# Altium PCB Zotino.PCBDOC (part 8 of 8)
Units mil, origin at the board's own origin, x right, y up, seen from the top; angles counter-clockwise.
Board outline 6303.18 x 3940.98 mil, 4 copper layers (TopLayer, Internal Plane 2, Signal Layer 1, BottomLayer), stack 61.54 mil thick; 716 components, 353 nets, 2092 pads, 748 vias.
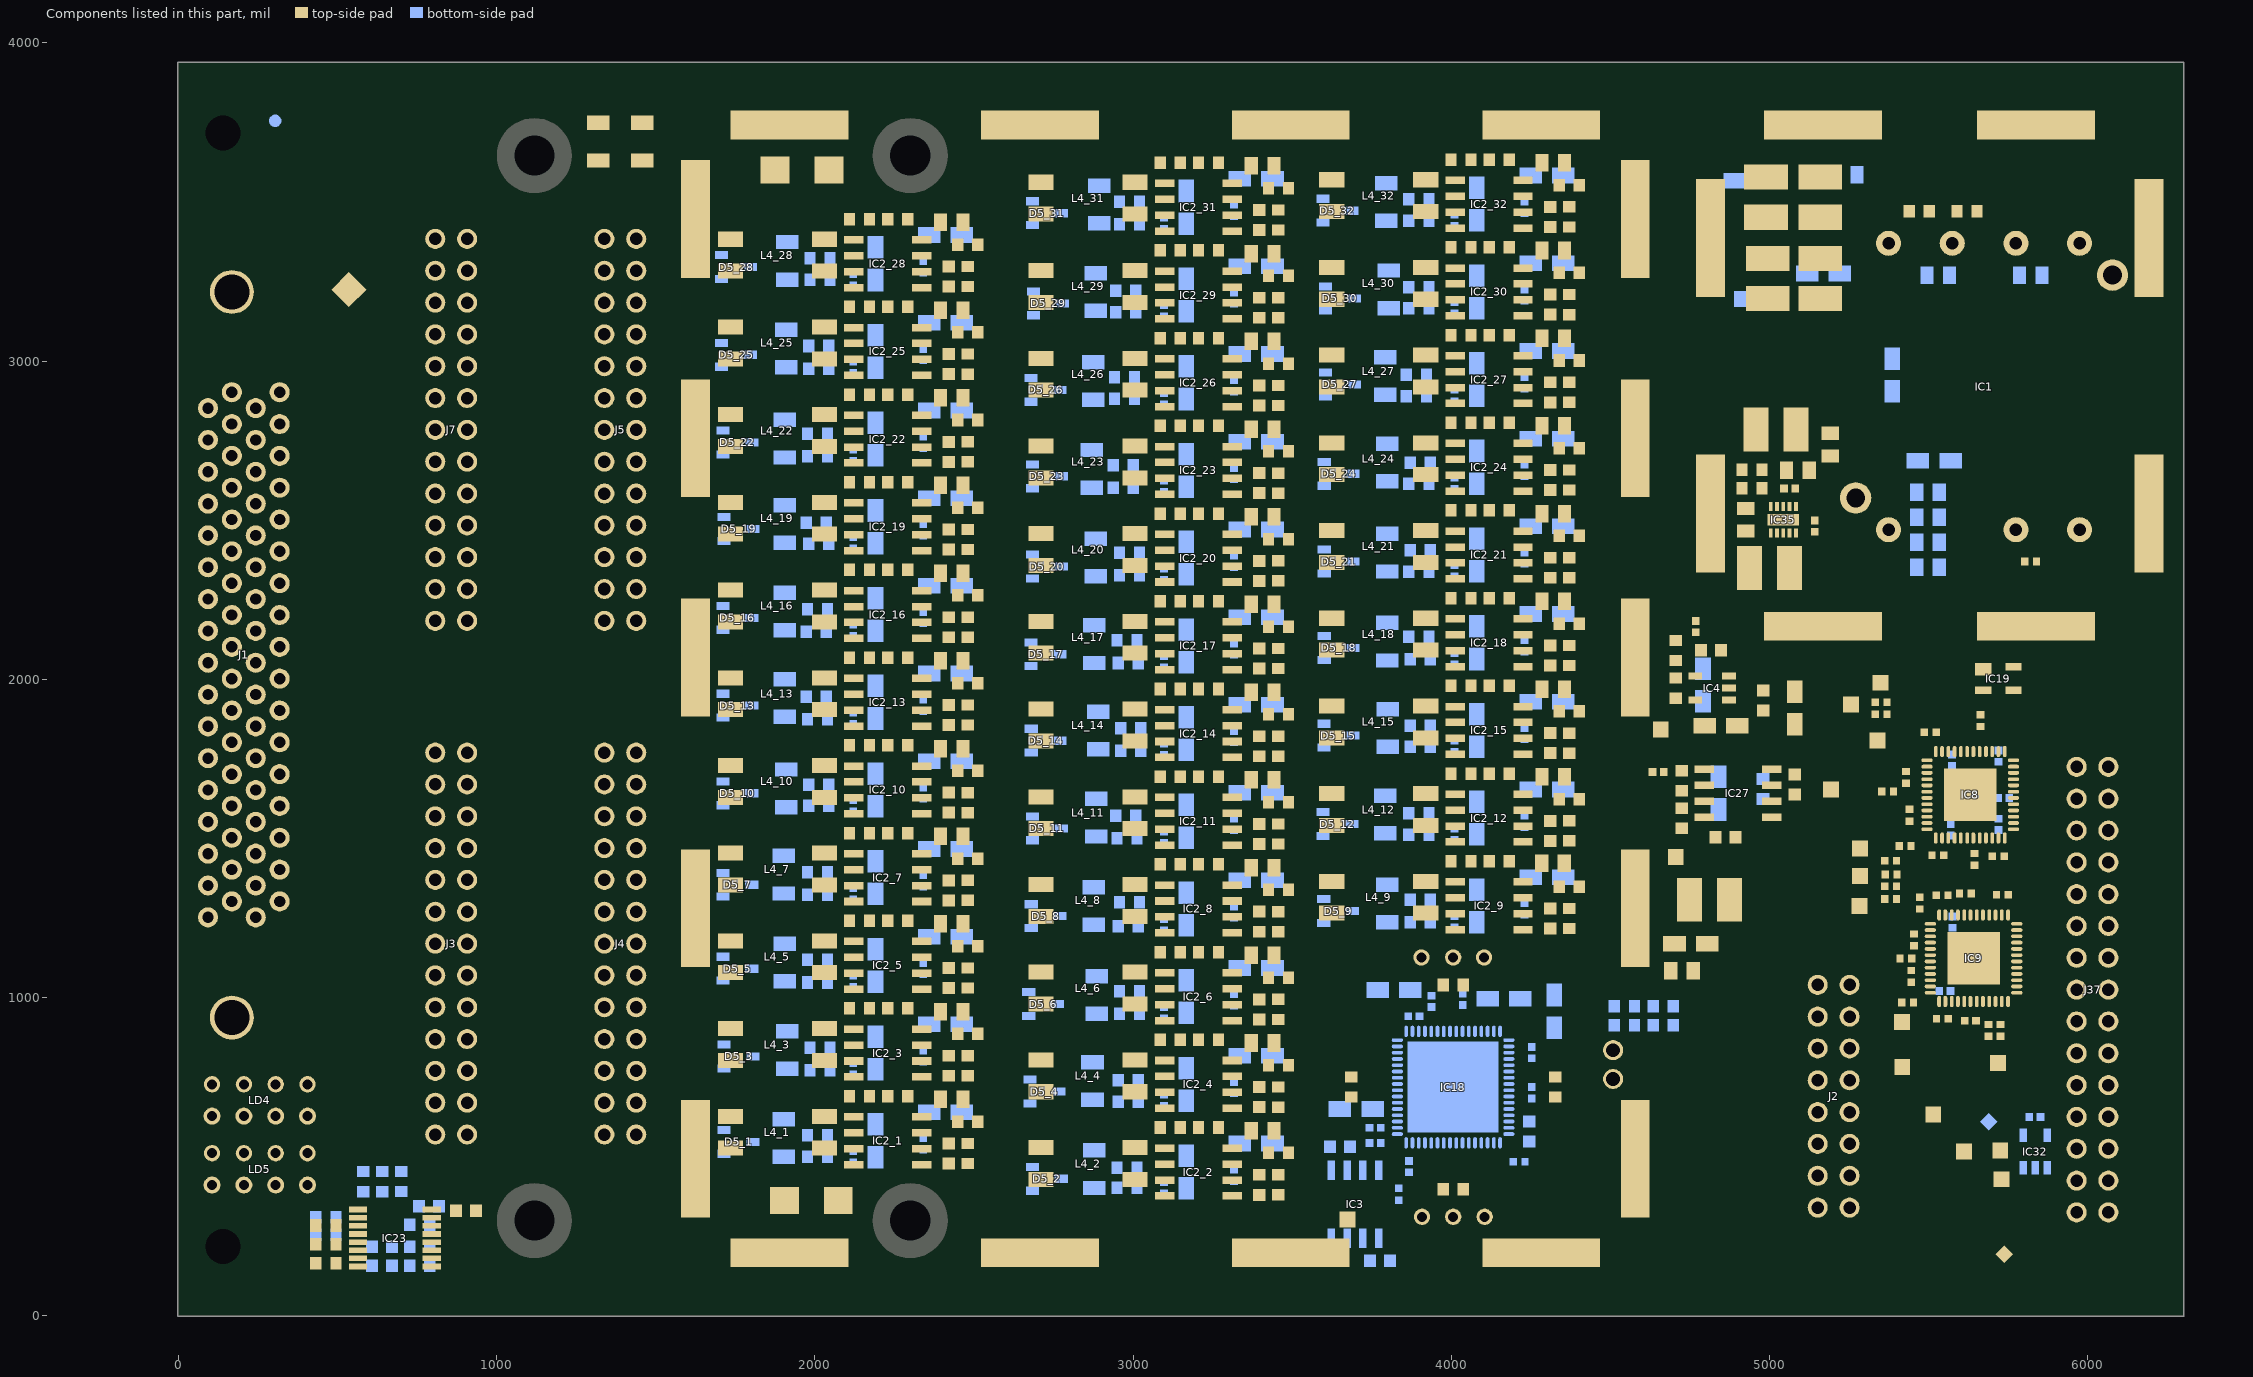
[diagram p10: the components of this part, seen from the top]

## Other copper (continued)
Internal Plane 2 (plane layer: these items are gaps in the copper):
  pour cut-out: 4704.72,3937.01 4704.72,2322.83 4960.63,2066.93 5551.18,2066.93 5551.18,2027.56 4960.63,2027.56 4665.35,2322.83 4665.35,3937.01
  lines w39.37: -1.98,0 6181.02,0 6181.1,0.09 6299.09,0.09 6300.98,1.98

## Silkscreen, mask and mechanical layers (free items; w line width, h text height)
TopOverlay:
  drawing of 1239 lines, arcs and shapes, not listed
  text "CH31" at 4444.88,3393.7 h40 r90
  text "CH30" at 3523.62,3370.08 h40 r90
  text "CH27" at 2551.18,3188.98 h40 r90
  text "CH29" at 4435.8,3104.89 h40 r90
  text "CH28" at 3527.56,3090.55 h40 r90
  text "CH24" at 2551.18,2917.32 h40 r90
  text "+12V" at 5015.75,2881.89 h40
  text "CH26" at 4440.94,2826.77 h40 r90
  text "CH25" at 3527.56,2814.96 h40 r90
  text "CH21" at 2551.18,2653.54 h40 r90
  text "CH23" at 4440.94,2551.18 h40 r90
  text "CH22" at 3527.56,2547.24 h40 r90
  text "CH18" at 2551.18,2371.89 h40 r90
  text "CH20" at 4444.88,2275.59 h40 r90
  text "CH19" at 3527.56,2263.78 h40 r90
  text "DAC OUT 24-31" at 670,2190 h80 r90
  text "DAC OUT 16-23" at 1188.98,2185.04 h80 r90
  text "CH15" at 2555.12,2094.89 h40 r90
  text "CH17" at 4435.8,2006.09 h40 r90
  text "CH16" at 3527.56,1996.06 h40 r90
  text "SDI" at 5167.32,1969.49 h40
  text "RESETn" at 5397.56,1966.8 h40
  text "EEM" at 5956.69,1964.57 h40
  text "CH12" at 2555.12,1818.9 h40 r90
  text "SCKI" at 5157.48,1791.34 h40
  text "N12V0A" at 4645.67,1751.97 h40
  text "CH14" at 4437.01,1732.28 h40 r90
  text "CH13" at 3527.56,1716.54 h40 r90
  text "WUT ISE 2018" at 570.87,1673.23 h40 r90
  text "Zotino v1.1" at 501.97,1574.8 h80 r90
  text "CH9" at 2551.18,1559.06 h40 r90
  text "GND" at 5153.54,1559.06 h40
  text "CH11" at 4440.94,1472.44 h40 r90
  text "CSn" at 5126.55,1463.91 h40
  text "CH10" at 3523.62,1444.88 h40 r90
  text "P12V0A" at 4755.91,1429.13 h40
  text "SDO" at 5125.98,1366.14 h40
  text "CH6" at 2551.18,1287.4 h40 r90
  text "LDACn" at 5039.37,1267.72 h40
  text "CH8" at 4442.91,1214.57 h40 r90
  text "CH7" at 3527.56,1188.98 h40 r90
  text "CH4" at 2555.12,1023.62 h40 r90
  text "CH5" at 3527.56,913.39 h40 r90
  text "CLRn" at 5465.59,871.48 h40
  text "TEC-" at 4460.63,858.27 h60 r90
  text "BUSY" at 5519.68,777.56 h40
  text "CH2" at 2551.18,746.81 h40 r90
  text "P3V3" at 5392.72,694.88 h40
  text "CH3" at 3527.56,641.73 h40 r90
  text "P3V3MP" at 5561.02,633.86 h40
  text "DAC OUT 0-7" at 670,620 h80 r90
  text "DAC OUT 8-15" at 1192.91,618.11 h80 r90
  text "SDA" at 5704.72,562.99 h40
  text "2W max" at 5012.8,534.45 h60 r90
  text "TEC+" at 4468.5,511.81 h60 r90
  text "GND" at 5456.69,496.06 h40
  text "CH0" at 2551.18,464.57 h40 r90
  text "CH1" at 3539.06,373.5 h40 r90
  text "SCL" at 5712.6,342.52 h40
  text "REF" at 3710.04,266.34 h40
  text "TEC controller" at 4916.34,204.72 h78.74 r90
BottomOverlay:
  drawing of 1237 lines, arcs and shapes, not listed
  text "Zotino v1.1" at 561,1479 h80 r270
  text "WUT ISE 2017" at 4322.34,56.35 h40
TopSolder:
  rectangle: 3710.28,972.44 4303.15,1014.13
  rectangle: 3710.28,423.57 3775.59,972.44
  rectangle: 3759.84,865.83 4031.5,972.44
  rectangle: 3814.96,421.26 4098.43,866.14
  rectangle: 4027.56,865.83 4146.85,918.81
  rectangle: 4027.56,918.81 4075.24,932.01
  rectangle: 4023.62,963.5 4059.06,980.03
  rectangle: 4125.98,948.82 4245.59,980.31
  rectangle: 4279.53,826.77 4300.83,976.38
  rectangle: 4226.49,826.61 4283.46,929.13
  rectangle: 4220.47,929.13 4244.09,952.76
  rectangle: 4133.86,944.88 4220.47,952.76
  rectangle: 4125.98,917.32 4145.67,948.82
  rectangle: 4111.82,917.32 4125.98,937.01
  rectangle: 4144.76,858.97 4196.85,912.48
  rectangle: 4098.43,830.71 4228.35,866.89
  rectangle: 4098.43,651.95 4263.78,830.71
  rectangle: 4263.78,651.95 4300.83,700.79
  rectangle: 4086.61,566.93 4192.91,657.48
  rectangle: 4078.74,558.8 4182.16,578.74
  rectangle: 4090.55,507.87 4153.54,563.68
  rectangle: 4133.17,423.57 4300.83,515.75
  rectangle: 4090.55,423.57 4141.73,472.44
  rectangle: 3771.65,423.57 3842.52,633.86
  rectangle: 3771.65,728.35 3822.83,767.72
  rectangle: 3771.65,807.09 3822.83,830.71
  rectangle: 3767.72,669.29 3830.02,696.85
  rectangle: 4185.04,515.75 4224.41,543.31
  rectangle: 4153.54,515.75 4185.04,531.5
  rectangle: 4287.4,507.87 4300.83,653.54
BottomSolder:
  rectangle: 4996.06,2488.19 5086.61,2511.81
Mechanical1:
  lines w3.94: 787.4,0 984.25,0 ; 1764.14,0 984.25,0 ; 1889.76,0 2765.75,0 ; 3653.91,-0.01 2952.76,-0.01 ; 3740.16,0 4537.4,0 ; 5504.3,0 4724.41,0 ; 5590.55,0 5915.35,0 ; 6299,1968.5 6299,0.21 6299.21,0 6102.36,0 5915.35,0 ; 6299,3937 0,3937 0,0 ; 6299.21,1968.72 6299.21,2362.2 6299.21,3937.01 ; 0,0 797.24,0 0,0 ; 984.25,0 2765.75,0 ; 2765.75,0 2952.76,0 ; 2952.76,0 4537.4,0 ; 4537.4,0 4724.41,0 ; 4724.41,0 5915.35,0
Mechanical4:
  lines w20: -100.16,-600.41 -100.16,4494.56
  lines w39.37: 1624.51,198.08 1624.51,3741.39 4577.27,3741.39 4577.27,198.08 1624.51,198.08 ; 4813.49,2166.58 6191.44,2166.58 6191.44,3741.39 4813.49,3741.39 4813.49,2166.58
Mechanical8:
  lines w7.87: 3611.86,718.85 4005.38,718.85 ; 4003.94,718.85 4387.45,718.85 ; 4005.38,195.4 4005.38,718.85 ; 4005.38,1180.69 4005.38,718.85

## Text inside footprints (layer, text, board x,y; h text height)
J1: TopOverlay "33" at 220.47,3008.32 h39.37 r270; TopOverlay "68" at 141.73,3031.94 h39.37 r270; TopOverlay "67" at 72.84,2996.51 h39.37 r270; TopOverlay "34" at 297.25,3039.81 h39.37 r270; TopOverlay "35" at 67.52,1195.32 h39.37 r270; TopOverlay "2" at 299.8,1230.76 h39.37 r270; TopOverlay "1" at 223.03,1195.32 h39.37 r270; TopOverlay "36" at 152.17,1230.76 h39.37 r270; Mechanical14 "33" at 220.47,3008.32 h40 r270; Mechanical14 "68" at 141.73,3031.94 h40 r270; Mechanical14 "67" at 72.84,2996.51 h40 r270; Mechanical14 "34" at 297.25,3039.81 h40 r270; Mechanical14 "35" at 67.52,1195.32 h40 r270; Mechanical14 "2" at 299.8,1230.76 h40 r270; Mechanical14 "1" at 223.03,1195.32 h40 r270; Mechanical14 "36" at 152.17,1230.76 h40 r270; Mechanical8 "PCB Edge" at -38.97,2247.29 h47.24 r270
J2: TopOverlay "16" at 5305.79,364.96 h40 r270; Mechanical14 "16" at 5305.79,364.96 h40 r270
J3: TopOverlay "26" at 751.79,1744.53 h40 r90; Mechanical14 "26" at 751.79,1744.53 h40 r90
J4: TopOverlay "26" at 1283.29,1744.53 h40 r90; Mechanical14 "26" at 1283.29,1744.53 h40 r90
J5: TopOverlay "26" at 1283.29,3358.71 h40 r90; Mechanical14 "26" at 1283.29,3358.71 h40 r90
J7: TopOverlay "26" at 751.79,3358.71 h40 r90; Mechanical14 "26" at 751.79,3358.71 h40 r90
J37: TopOverlay "30" at 6119.28,349.85 h40 r270; Mechanical14 "30" at 6119.28,349.85 h40 r270
LD4: TopOverlay "C" at 455.41,612.41 h39.37; TopOverlay "A" at 455.41,712.41 h39.37; TopOverlay "A" at 74.67,664.38 h39.37 r90; TopOverlay "B" at 174.67,664.38 h39.37 r90; TopOverlay "C" at 274.67,664.38 h39.37 r90; TopOverlay "D" at 374.67,664.38 h39.37 r90; Mechanical14 "A" at 455.41,712.41 h39.37; Mechanical14 "C" at 455.41,612.41 h39.37; Mechanical14 "A" at 74.67,664.38 h39.37 r90; Mechanical14 "B" at 174.67,664.38 h39.37 r90; Mechanical14 "C" at 274.67,664.38 h39.37 r90; Mechanical14 "D" at 374.67,664.38 h39.37 r90
LD5: TopOverlay "C" at 455.41,395.87 h39.37; TopOverlay "A" at 455.41,495.87 h39.37; TopOverlay "A" at 74.67,447.84 h39.37 r90; TopOverlay "B" at 174.67,447.84 h39.37 r90; TopOverlay "C" at 274.67,447.84 h39.37 r90; TopOverlay "D" at 374.67,447.84 h39.37 r90; Mechanical14 "A" at 455.41,495.87 h39.37; Mechanical14 "C" at 455.41,395.87 h39.37; Mechanical14 "A" at 74.67,447.84 h39.37 r90; Mechanical14 "B" at 174.67,447.84 h39.37 r90; Mechanical14 "C" at 274.67,447.84 h39.37 r90; Mechanical14 "D" at 374.67,447.84 h39.37 r90